# Allegro board LAY-31407_C2.brd (continued)
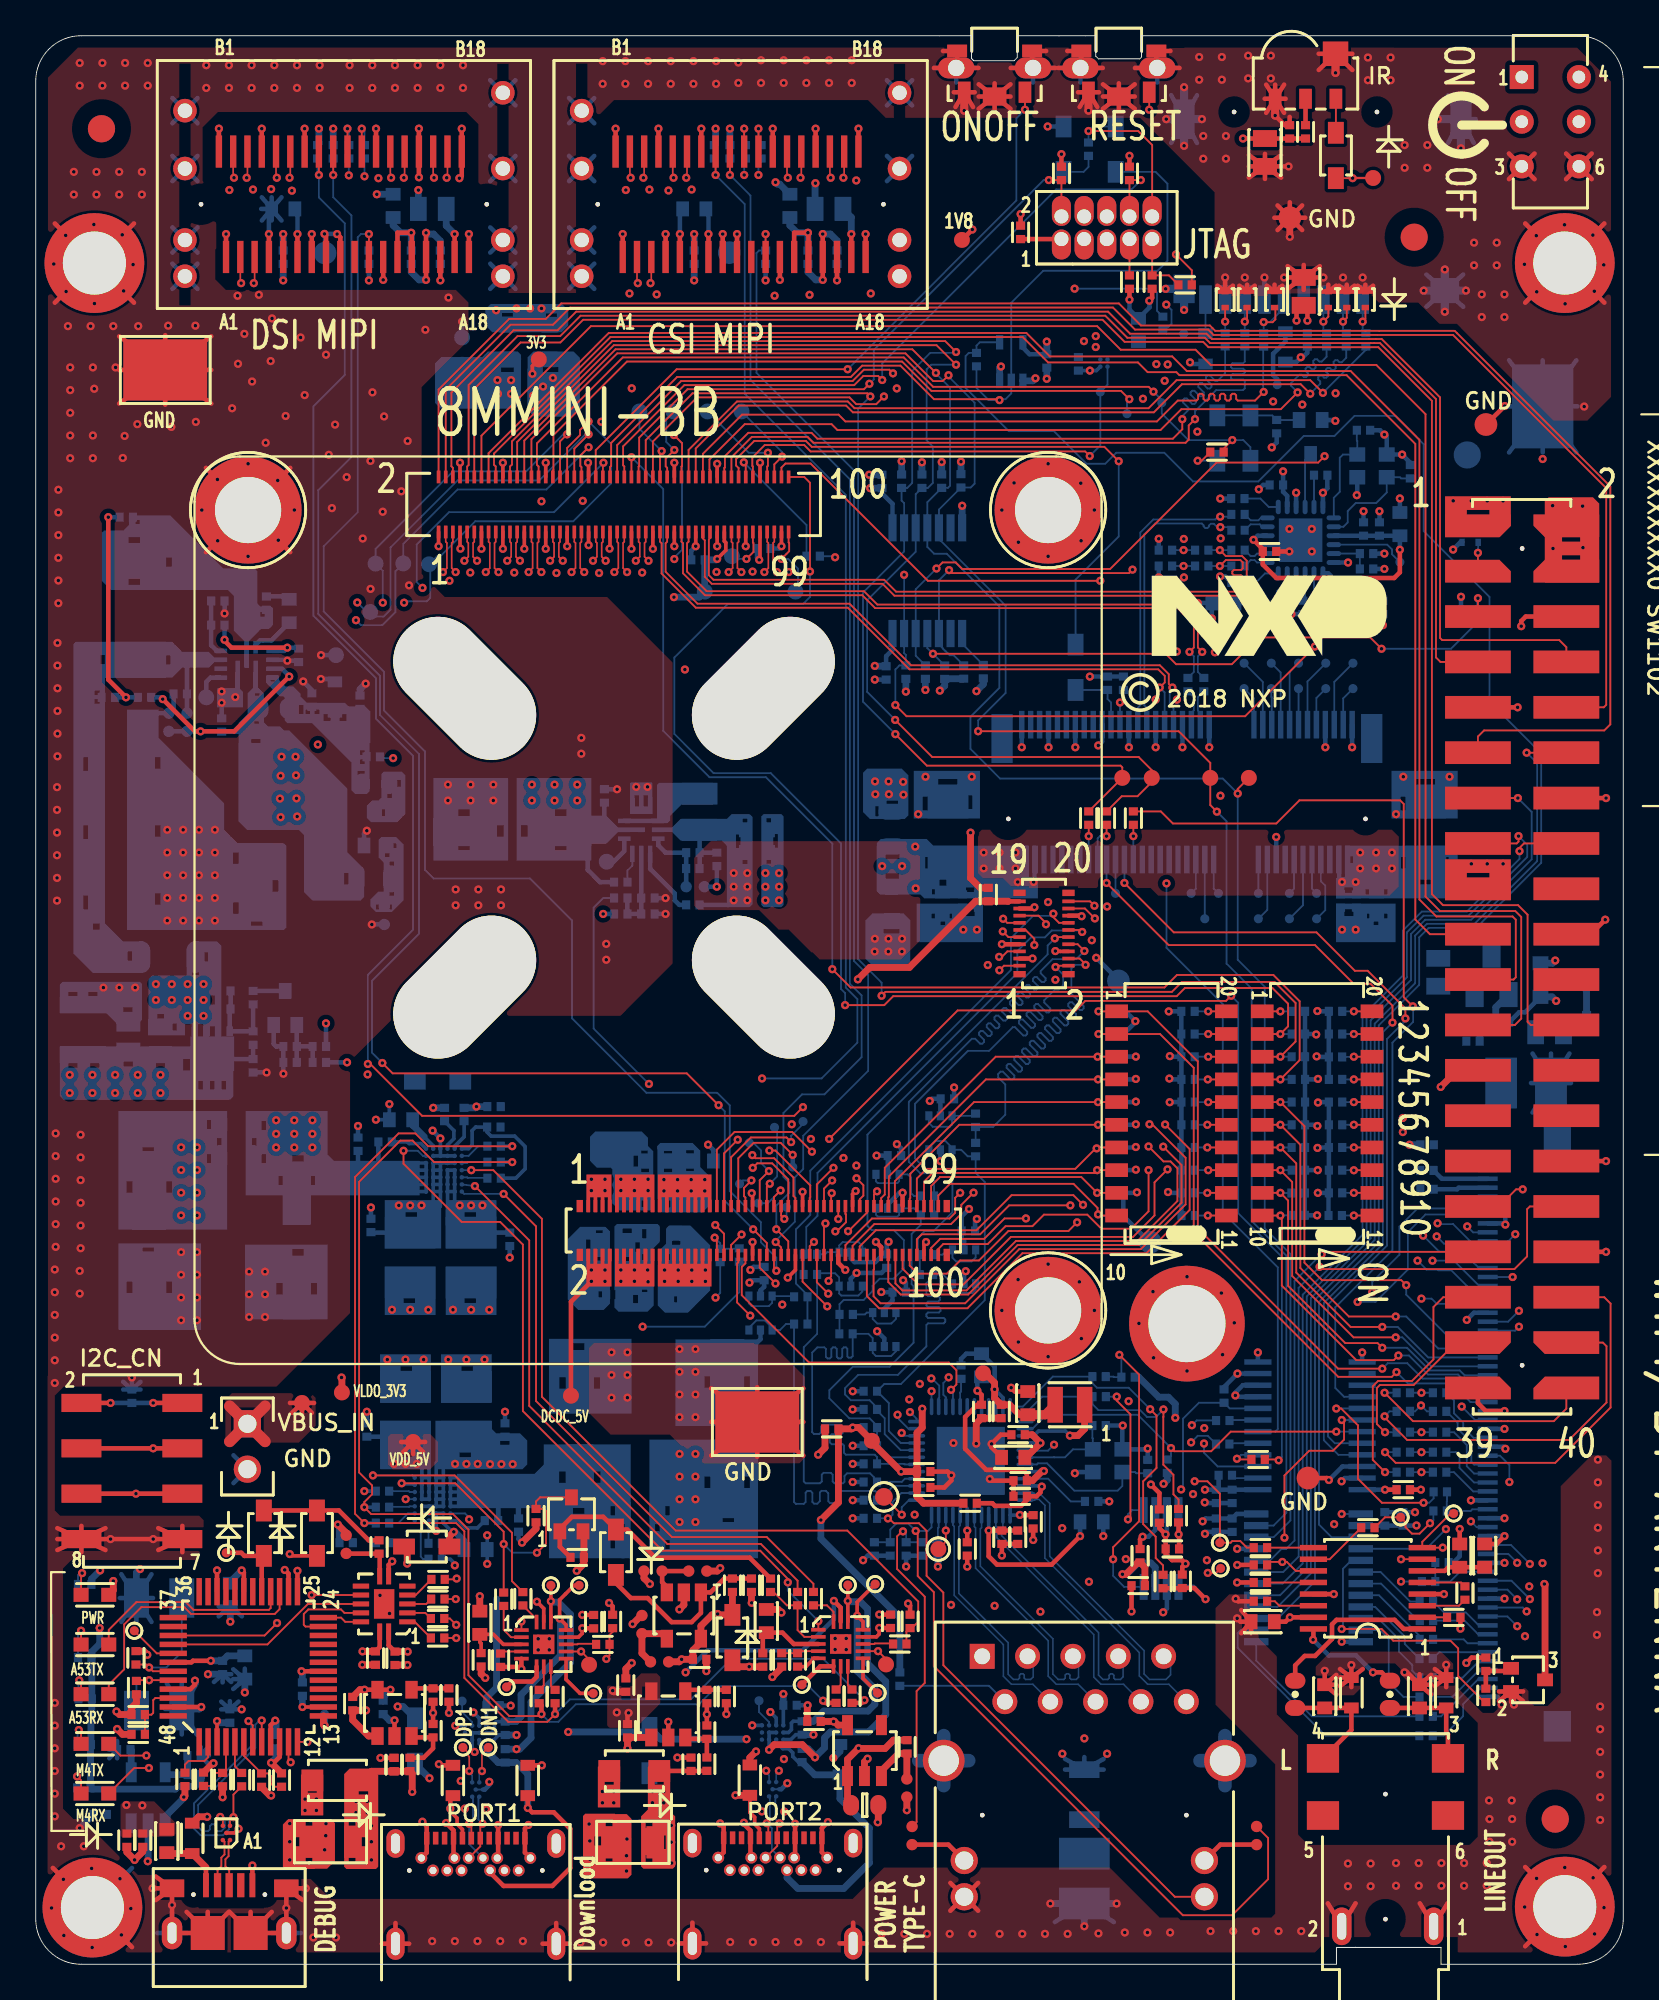
[diagram p0: board, top side]
## Nets (continued)
ENET_RD0_BUFIN: R516.1 R517.1 R531.2 U501.31 U502.1 U502.3
ENET_RD1: J203.10 R532.1 R540.1
ENET_RD1_BUFIN: R518.1 R532.2 U501.30 U504.1 U504.3
ENET_RD2: J203.12 R533.1 R541.1
ENET_RD2_BUFIN: R522.1 R533.2 U501.28 U503.1 U503.3
ENET_RD3: J203.14 R534.1 R543.1
ENET_RD3_BUFIN: R524.1 R534.2 U501.27 U505.1 U505.3
ENET_RX_CTL: J203.2 R535.1 R544.1
ENET_RX_CTL_BUFIN: R521.1 R535.2 U501.32 U507.1 U507.3
ENET_RXC: J203.4 R530.1 R542.1
ENET_RXC_BUFIN: R523.1 R530.2 U501.33 U506.1 U506.3
ENET_SD: R509.2 U501.41
ENET_TD0: J203.9 U501.36
ENET_TD1: J203.11 U501.37
ENET_TD2: J203.13 U501.38
ENET_TD3: J203.15 U501.39
ENET_TX_CTL: J203.1 U501.34
ENET_TXC: J203.5 U501.35
ENET_VDDH_2V5: C502.1 R501.2 R519.2 U501.10
ENET_VDDIO: C504.1 C505.1 R501.1 R502.1 R503.1 R508.1 R516.2 TP503.1(TP) U501.29
ENET_WOL: J202.46 U501.40
ENET_XTLI: C519.1 U501.7 Y501.3
ENET_XTLO: C518.1 U501.6(XTLO) Y501.1
ETH_TRX0_N: J501.10 U501.12
ETH_TRX0_P: J501.9 U501.11
ETH_TRX1_N: J501.8 U501.15
ETH_TRX1_P: J501.7 U501.14
ETH_TRX2_N: J501.6 U501.18
ETH_TRX2_P: J501.5 U501.17
ETH_TRX3_N: J501.4 U501.21
ETH_TRX3_P: J501.3 U501.20
EX_POR_B: R210.2 U201.3 U204.4(Y)
EXP_IO0: R1019.2 U201.6
EXP_IO1: R1020.2 U201.7
EXP_IO2: R1021.2 U201.8
EXP_IO3: R1022.2 U201.9
EXP_IO4: R1023.2 U201.10
EXP_IO5: R1024.2 U201.11
EXP_IO6: R1025.2 U201.13
EXP_IO7: R1026.2 U201.14
EXP_IO8: J1003.12 U201.15
EXP_IO9: J1003.13 U201.16
EXP_IO10: J1003.15 U201.17
EXP_IO11: J1003.16 U201.18
EXP_IO12: J1003.32 U201.19
EXP_IO13: J1003.33 U201.20
EXP_IO14: J1003.31 U201.4
EXT_PWREN: R114.1 R1032.1 U201.5
FRS_EN1: U302.B6 U303.1
FRS_EN2: U305.B6 U306.1
FT_NPWREN: TP915.1(PIN1) U901.41
FT_NRXLED1: D902.C(CATHODE) U901.12
FT_NRXLED2: D906.C(CATHODE) U901.28
FT_NSLEEP1: D909.A TP913.1(PIN1) U901.13
FT_NSLEEP2: D910.A TP914.1(PIN1) U901.29
FT_NTXLED1: D903.C(CATHODE) U901.11
FT_NTXLED2: D905.C(CATHODE) U901.27
FT_USB_DM: U901.8 U902.C2
FT_USB_DP: R925.1 U901.7 U902.C1
FT_VCCOUT_3V3: C920.2 R927.1 U901.6
FTDI_NPOR: C909.1 R924.2 U901.4
FTDI_NRSTOUT: R925.2 U901.5
FTDIA_RX: U901.23 U904.12
FTDIA_TX: U901.24 U904.13
FTDIB_RX: U901.39 U904.10
FTDIB_TX: U901.40 U904.11
GPIO1_IO15: J202.38 R217.1 R219.2
I2C2_SCL: J201.22 R201.2 R631.2 R810.2 TP210.1(TP) U203.2
I2C2_SCL_3V3: R202.2 R302.1 R305.1 R309.1 R311.1 R612.1 U203.13
I2C2_SDA: J201.24 R205.2 R630.2 R808.2 TP211.1(TP) U203.3
I2C2_SDA_3V3: R206.2 R303.1 R308.1 R310.1 R312.1 R613.1 U203.12
I2C3_SCL: J201.26 R203.2 R809.2 TP212.1(TP) U201.22 U203.4
I2C3_SCL_3V3: D1001.C J1001.50 J1003.5 J1004.3 J1004.4 R204.2 U203.11
I2C3_SDA: J201.28 R207.2 R807.2 TP213.1(TP) U201.23 U203.5
I2C3_SDA_3V3: D1002.C J1001.51 J1003.3 J1004.5 J1004.6 R208.2 U203.10
ILIM_5V_VBUS1: TP312.1(PIN1) U303.6
ILIM_5V_VBUS2: TP314.1(PIN1) U306.6
IOEXP_NINT: J202.44 U201.1
IR_CAP: D709.A J202.42 TP702.1(TP)
JTAG_NTRST: J201.60 R923.2 R1108.1 SW1101.3
JTAG_TCK: J201.62 J902.4
JTAG_TDI: J201.54 J902.8 R918.2
JTAG_TDO: J201.52 J902.6
JTAG_TMS: J201.58 J902.2 R917.2
LD1_I2C_SCL: R305.2 U302.B1
LD1_I2C_SDA: R308.2 U302.C1
LD1_NINT: R340.2 R345.2 U302.D1
LD2_I2C_SCL: R311.2 U305.B1
LD2_I2C_SDA: R312.2 U305.C1
LD2_NINT: R341.2 R344.2 U305.D1
LED_ACT: C514.1 R510.1 R519.1 R520.1 U501.23
LED_LINK10_100: C516.1 J501.14 U501.26
LED_LINK1000: C515.1 R513.1 R525.1 U501.24
LINE_OUTL: C407.1 J401.4 R404.2 TVS402.2(A2)
LINE_OUTR: C406.2 J401.3 R403.2 TVS401.2(A2)
LINEVDD: C402.1 L401.1 U401.6
LINK / ACTIVE: J501.13 R513.2
LINKACT: J501.11 R510.2
M2_I2C_SCL: J601.60 R631.1
M2_I2C_SDA: J601.58 R630.1
M2_PCM_CLK: J601.8 TP604.1(PIN1)
M2_PCM_IN: J601.12 TP608.1(PIN1)
M2_PCM_OUT: J601.14 TP610.1(PIN1)
M2_PCM_SYNC: J601.10 TP606.1(PIN1)
M2_SD_CLK: J601.9 TP605.1(PIN1)
M2_SD_CMD: J601.11 TP607.1(PIN1)
M2_SD_DAT0: J601.13 TP609.1(PIN1)
M2_SD_DAT1: J601.15 TP611.1(PIN1)
M2_SD_DAT2: J601.17 TP612.1(PIN1)
M2_SD_DAT3: J601.19 TP613.1(PIN1)
M2_SD_NRST: J601.23 TP617.1(PIN1)
M2_SD_WAKE: J601.21 TP615.1(PIN1)
M2_UART_CTS: J601.36 TP620.1(PIN1)
M2_UART_RTS: J601.34 TP619.1(PIN1)
M2_UART_RXD: J601.22 TP616.1(PIN1)
M2_UART_TXD: J601.32 TP618.1(PIN1)
M2_USB_DN: J601.5 TP603.1(PIN1)
M2_USB_DP: J601.3 TP601.1(PIN1)
MDC: R511.2 R537.2 U501.1
MDIO: R512.2 R538.2 U501.48
NRST: D908.C J902.10(B5) R919.2
NVCC_ENET: C523.1 J203.19 R502.2 R526.2 R536.2 U508.3
ONOFF: J201.46 SW901.2
PCIE_CLKN: J201.75 R611.2 R615.1
PCIE_CLKP: J201.77 R610.2 R614.1
PCIE_NCLKREQ: D603.C J201.30 R632.2 TP221.1(PIN1)
PCIE_NCLKREQ_DEV: D602.C J601.53 R626.2 R632.1
PCIE_NDIS: J601.56 U202.21
PCIE_NDIS_LV: J202.62 U202.3
PCIE_NRST: J601.52 U202.20
PCIE_NRST_LV: J202.68 R211.1
PCIE_NWAKE: D601.A J201.86
PCIE_REQ: Q604.3 U601.22
PCIE_RXN: J201.63 J601.43
PCIE_RXP: J201.65 J601.41
PCIE_TXN: C616.1 J201.69
PCIE_TXP: C615.1 J201.71
PD1_I2C_SCL: R302.2 U303.8
PD1_I2C_SDA: R303.2 U303.7
PD2_I2C_SCL: R309.2 U306.8
PD2_I2C_SDA: R310.2 U306.7
PD_EN_SRC1: R332.1 U303.16
PD_EN_SRC2: R334.1 U306.16
PHY_CLKOUT: TP502.1(PIN1) U501.25
PMIC_ON_REQ: J201.48 R131.1
POR_B: D908.A J201.50 R210.1 U204.2
PPS/GPIO: TP501.1(PIN1) U501.22
REF_CLK_32K: J202.37 R215.1 U202.8
REF_CLK_32K_3V3: R629.2 U202.16
REF_CLKN_CN: J601.49 R615.2 R617.2 R622.1
REF_CLKP_CN: J601.47 R614.2 R616.2 R621.1
SAI1_MCLK: J202.98 J1001.4
SAI1_RXC: J202.76 J1001.18
SAI1_RXD0: J202.78 J1001.20 R1112.1 SW1101.5
SAI1_RXD1: J202.80 J1001.21 R1114.1 SW1101.6
SAI1_RXD2: J202.82 J1001.22 R1116.1 SW1101.7
SAI1_RXD3: J202.86 J1001.23 R1118.1 SW1101.8
SAI1_RXD4: J202.88 J1001.24 R1102.1 SW1101.9
SAI1_RXD5: J202.90 J1001.25 R1136.1 SW1101.10
SAI1_RXD6: J202.92 J1001.26 R1120.1 SW1102.1
SAI1_RXD7: J202.94 J1001.27 R1122.1 SW1102.2
SAI1_RXFS: J202.74 J1001.19
SAI1_TXC: J202.81 J1001.6
SAI1_TXD0: J202.83 J1001.9 R1124.1 SW1102.3
SAI1_TXD1: J202.85 J1001.10 R1126.1 SW1102.4
SAI1_TXD2: J202.87 J1001.11 R1128.1 SW1102.5
SAI1_TXD3: J202.91 J1001.12 R1130.1 SW1102.6
SAI1_TXD4: J202.93 J1001.13 R1132.1 SW1102.7
SAI1_TXD5: J202.95 J1001.14 R1134.1 SW1102.8
SAI1_TXD6: J202.97 J1001.15 R1139.1 SW1102.9
SAI1_TXD7: J202.99 J1001.16 R1140.1 SW1102.10
SAI1_TXFS: J202.100 J1001.8
SAI2_3_MCLK: J1001.39 R1005.1 R1006.1
SAI2_MCLK: J202.66 R213.1
SAI2_MCLK_3V3: R1006.2 U202.17
SAI3_MCLK: J202.41 R401.1 R1005.2 TP40.1(PIN1) TP214.1(PIN1)
SAI3_RXC: J202.53 J1001.41 TP219.1(PIN1)
SAI3_RXD: J202.55 J1001.44 TP220.1(PIN1)
SAI3_RXFS: J202.51 J1001.43 TP218.1(PIN1)
SAI3_TXC: J202.45 R402.1 TP41.1(PIN1) TP216.1(PIN1)
SAI3_TXD: J202.49 TP43.1(PIN1) TP217.1(PIN1) U401.7
SAI3_TXFS: J202.43 TP42.1(PIN1) TP215.1(PIN1) U401.8
SAI5_MCLK: J202.77 J1001.29
SAI5_RXC: J202.65 R1009.2 R1016.2
SAI5_RXD0: J202.67 R1010.2 R1015.2
SAI5_RXD1: J202.69 R1011.2 R1018.1
SAI5_RXD2: J202.71 R1012.2 R1014.2
SAI5_RXD3: J202.73 R1013.2 R1017.1
SAI5_RXFS: J202.70 J1001.33
SD2_CLK: J201.76 R704.1
SD2_CMD: J201.78 R702.1
SD2_DATA0: J201.84 R705.1
SD2_DATA1: J201.82 R707.1
SD2_DATA2: J201.72 R708.1
SD2_DATA3: J201.74 R709.1
SD2_DET: J701.9 R217.2 R218.1 TP701.1(PIN1) TVS701.2(A2)
SD2_NCD: J201.88 R216.2 R218.2
SD2_NRST: J201.90 TP703.1(PIN1) U702.B1
SPDIF_EXT_CLK: J202.63 R1003.2
SPDIF_RX: J202.59 J1001.48
SPDIF_TX: J202.57 J1001.47
SUSCLK_32K: J601.50 R629.1
SYS_NRST: J202.39 SW902.2
TCPC_NINT1: J201.70 TP305.1(TP) U303.10
TCPC_NINT2: R216.1 R219.1 TP308.1(TP) U306.10
TEST_MODE: J201.56 R1110.1 SW1101.4
UART2_RXD: J201.36 R910.2 TP906.1(TP)
UART2_TXD: J201.38 R911.2 TP905.1(TP)
UART3_CTS: J201.10 J1003.7
UART3_RTS: J201.2 J1003.11
UART3_RXD: J201.4 J1003.10
UART3_TXD: J201.6 J1003.8
UART4_RXD: J201.40 R908.2 TP903.1(TP)
UART4_TXD: J201.42 R909.2 TP902.1(TP)
USB1_CC1: R336.2 TP303.1(PIN1) U303.13 U308.A2
USB1_CC1_CN: J301.A5 R336.1 TVS304.2(A2) U308.A1
USB1_CC2: R337.2 TP304.1(PIN1) U303.14 U308.B2 U308.C1 U308.C2
USB1_CC2_CN: J301.B5 R337.1 TVS303.2(A2) U308.B1
USB1_DN: J201.83 TP908.1(PIN1) U307.C2
USB1_DN_CN: J301.A7 J301.B7 U307.A2
USB1_DP: J201.85 TP907.1(PIN1) U307.C1
USB1_DP_CN: J301.A6 J301.B6 U307.A1
USB1_ID: J201.89 TP301.1(TP)
USB1_OTG_VBUS: C303.1 D301.C F301.1 J301.A4 J301.A9 J301.B4(VBUS4) J301.B9 R301.1 R306.1
USB1_OTG_VBUS_F: C301.1 C302.1 D309.A F301.2 U302.C2 U302.C3 U302.C4 U302.C5 U302.D4 U302.D5 U302.E4 U302.E5 U302.F4 U302.F5 U302.G4 U302.G5 U303.15
USB1_VBUS: C215.1 J201.81 R307.2 TP909.1(TP) U301.1
USB1_VBUS_IN: C308.1 C309.1 C315.2 R315.1 R316.1 U302.C6 U302.D6 U302.E6 U302.F6 U302.G6
USB2_CC1: R338.2 TP306.1(PIN1) U306.13 U310.A2
USB2_CC1_CN: J302.A5 R338.1 TVS308.2(A2) U310.A1
USB2_CC2: R339.2 TP307.1(PIN1) U306.14 U310.B2 U310.C1 U310.C2
USB2_CC2_CN: J302.B5 R339.1 TVS307.2(A2) U310.B1
USB2_DN: J201.93 U309.C2
USB2_DN_CN: J302.A7 J302.B7 U309.A2
USB2_DP: J201.95 U309.C1
USB2_DP_CN: J302.A6 J302.B6 U309.A1
USB2_ID: J201.99 TP302.1(TP)
USB2_OTG_VBUS: C323.1 D303.C F302.1 J302.A4 J302.A9 J302.B4(VBUS4) J302.B9 R319.1 R356.1
USB2_OTG_VBUS_F: C321.1 C322.1 D308.A F302.2 U305.C2 U305.C3 U305.C4 U305.C5 U305.D4 U305.D5 U305.E4 U305.E5 U305.F4 U305.F5 U305.G4 U305.G5 U306.15
USB2_VBUS: C216.1 J201.91 R320.2 U304.1
USB2_VBUS_IN: C325.1 C326.1 C330.2 R323.1 R325.1 U305.C6 U305.D6 U305.E6 U305.F6 U305.G6
USB_DBG_DM: J901.2 U902.A2
USB_DBG_DP: J901.3 U902.A1
USB_LD_NFLT1: R340.1 U303.11
USB_LD_NFLT2: R341.1 U306.11
VEXT_3V3: C803.1 C806.1 C811.1 C814.1 J801.A13 J801.A14 J802.A13 J802.A14 J1003.1 J1003.17 R811.2 R812.2
VLDO1_3V3: C317.1 D312.A U302.A5(VLDO)
VLDO2_3V3: C334.1 D313.A U305.A5(VLDO)
VLDO_3V3: C314.1 C331.1 C337.1 C338.1 C340.1 C344.1 D310.C D312.C D313.C R343.1 R353.1 R354.1 R358.1 TP315.1(TP) U308.A3(VSYS) U310.A3(VSYS) U311.5 U312.5(OUT)
VPCIE_3V3: C617.1 C618.1 C620.1 C621.1 C622.1 C623.1 C624.1 C625.1 J601.2 J601.4 J601.72 J601.74 R601.2 R602.2 R626.1 R627.1
VSD_3V3: C702.1 C703.1 C704.1 J701.4 TP704.1(PIN1) TVS702.2(A2) U702.A2(VOUT)
N98831920: D706.C J701.5 R704.2
N99468751: R714.2 U701.2
N99799646: R515.1 U501.9
N101118681: D704.C J701.8 R707.2
N101118689: D705.C J701.7 R705.2
N101118780: D707.C J701.3 R702.2
N101118786: D702.C J701.2 R709.2
N101118794: D703.C J701.1 R708.2
N101800237: J1001.2 R1028.1
N101995244: C608.1 C609.1 C611.1 L602.2 U601.11 U601.20
N101995252: C614.1 U601.2(X2) Y601.3
N101995256: C613.1 U601.1 Y601.1
N101995353: C605.1 C606.1 C607.1 L601.1 U601.3 U601.16
N101995404: R610.1 U601.13
N101995406: TP602.1(PIN1) U601.4
N101995408: R611.1 U601.14
N101995436: R616.1 U601.17
N101995453: R617.1 U601.18
N101995570: C603.1 C604.1 R603.2 R604.2 U601.7
N101995643: R619.2 U601.19
N101995645: R618.2 U601.12
N101995688: R620.2 U601.23
N102026698: D602.A D603.A Q604.1 R623.2
N102880674: C401.1 U401.2
N102887128: C404.2 U401.14(VMID)
N102887637: R403.1 U401.16
N102887640: R404.1 U401.1
N102889416: C405.1 U401.5
N102889418: C405.2 U401.3
N102889692: R406.1 U401.12
N102889696: R401.2 U401.10
N102889754: R402.2 U401.9
N103555946: J801.A8 J801.A9 TP801.1(PIN1)
N103620608: C106.1 C107.1 C108.1 C109.1 C160.2 L101.2 R103.1 R105.1 U101.5(VOUT)
N103620610: C113.1 C161.1 D101.C(CATHODE) R101.2 R138.1 R140.2 U101.12
N103620792: C102.2 L101.1 R135.1 U101.7
N103620806: R102.1 U101.8
N103620818: C102.1 R102.2
N103621273: R105.2 R109.1 R136.2 U101.11
N103621294: R107.2 R108.1 U101.6
N103794378: J802.A8 J802.A9 TP802.1(PIN1)
N104238302: D708.A R713.2
N104270741: J1001.3 R1027.1
N104271082: J1001.31 R1009.1
N104271093: J1001.35 R1011.1
N104271096: J1001.36 R1012.1
N104271099: J1001.37 R1013.1
N104271107: J1001.34 R1010.1
N104271750: J1001.46 R1003.1 R1004.1
N104271890: J1001.59 R1026.1
N104271893: J1001.58 R1025.1
N104271896: J1001.56 R1023.1
N104271904: J1001.57 R1024.1
N104271907: J1001.53 R1020.1
N104271909: J1001.54 R1021.1
N104271911: J1001.55 R1022.1
N104271923: J1001.52 R1019.1
N104279466: R612.2 U601.8
N104279469: R613.2 U601.9
N104764716: R624.2 R625.2 U601.5
N105095140: C615.2 J601.35
N105095143: C616.2 J601.37
N105095456: D601.C J601.55 R627.2
N105218199: J501.2 R503.2
N105570556: J601.54(W\_\D\I\S\A\B\L\E\2\) TP621.1(PIN1)
N106685017: J902.7 R921.1
N106685043: D907.C R919.1
N106685087: J902.9 R922.1 R923.1
N106693815: J1003.36 R1014.1
N106693817: J1003.38 R1015.1
N106693819: J1003.40 R1016.1
N106751784: R306.2 R313.1 U301.3
N106751786: R304.2 R314.1 U301.4
N106752514: C319.1 R349.2 U303.3(VDD)
N106760013: C315.1 U302.A6
N106760029: C316.1 U302.A3
N106825077: R319.2 R321.1 U304.3
N106825079: R318.2 R322.1 U304.4
N106825388: R331.1 R354.2 U305.A1
N106825551: C335.1 R350.2 U306.3(VDD)
N106826014: C330.1 U305.A6
N106826016: C333.1 U305.A3
N106851464: R327.1 U306.5
N106918263: D709.C U701.1(VOUT)
N106947509: C138.2 C159.2 Q101.4 R125.2 R129.1
N106947511: Q102.3 R129.2
N106947532: C145.1 Q102.1 R131.2 R133.1 R134.2
N107058704: R328.2 U302.A2
N107059533: R329.2 U302.E1
N107060388: R330.2 U305.A2
N107060780: R331.2 U305.E1
N107162903: J1003.35 R1017.2
N107162937: J1003.37 R1018.2
N107283671: R1105.1 SW1101.19
N107283673: R1103.1 SW1101.20
N107295158: TP105.1(TP) U101.3
N107626870: C117.1 R113.2 R114.2 R115.1 U102.5
N107626960: C118.2 R110.2 R111.1 U102.3
N107627021: R112.2 U102.6
N107627023: L102.1 U102.1 U102.9
N107627135: TP103.1(TP) U102.7
N107627186: C122.1 U102.4
N107637154: R214.2 U203.8
N107721671: R209.2 U202.2
N107724179: R212.2 U202.5
N107724192: R211.2 U202.4
N107724212: R213.2 U202.7
N107750980: D311.A Q301.1 R346.1 R360.2
N107870832: C160.1 R135.2 R136.1
N107896174: Q903.3 R138.2
N107897671: Q903.1 R137.2 R139.1
N107966089: R527.2 R537.1 U508.8
N107966091: R528.2 R538.1 U508.1
N107966128: R526.1 U508.6
N107968412: R542.2 U506.4(Y2) U506.6
N107968479: R544.2 U507.4(Y2) U507.6
N107968670: R540.2 U504.4(Y2) U504.6
N107968707: R539.2 U502.4(Y2) U502.6
N107968717: R541.2 U503.4(Y2) U503.6
N107968739: R543.2 U505.4(Y2) U505.6
N108059802: R140.1 SW101.2 SW101.5
N108161310: C339.1 D308.C D309.C R355.1 U312.1
N108166855: R353.2 U302.A1
N108194991: R356.2 R357.1 U311.3
N108194993: R358.2 R359.1 U311.4
N108201139: C907.1 U901.43 X901.1
N108201143: C908.1 U901.44(XTOUT) X901.3
N108201307: C902.1 R904.2 U901.46
N108223122: C918.1 R928.1 U903.5(VOUT)
N108223184: C917.1 U903.4
N108237950: R926.2 U901.2
N108242066: D902.A R902.1
N108242068: D903.A R903.1
N108243403: D906.A R916.1
N108243405: D905.A R915.1
N108291814: TP309.1(PIN1) U308.C3
N108294504: TP310.1(PIN1) U310.C3
N108331169: R355.2 R361.2 U312.3
N108338377: Q1003.1 R1032.2 R1033.1
N108338539: C1004.2 Q1001.1 R1029.2 R1031.1
N108338811: Q1001.3 R1001.1 R1030.1 R1034.2
N108342788: Q1002.1 Q1003.3 R1031.2
N108343972: Q1002.3 R1030.2
N108372965: D909.C D910.C R929.1
N108372967: R929.2 R930.2 U904.8
N108373115: R911.1 U904.5
N108373117: R910.1 U904.4
N108373119: R909.1 U904.3
N108373121: R908.1 U904.2
N108512265: R1107.1 SW1101.17
N108512267: R1109.1 SW1101.16
N108512269: R1111.1 SW1101.15
N108512271: R1113.1 SW1101.14
N108512273: R1115.1 SW1101.13
N108512275: R1117.1 SW1101.12(B9)
N108512376: R1101.1 SW1101.18
N108512604: R1135.1 SW1101.11
N108512923: R1119.1 SW1102.20
N108512925: R1121.1 SW1102.19
N108512927: R1123.1 SW1102.18
N108512929: R1125.1 SW1102.17
N108512931: R1127.1 SW1102.16
N108512933: R1129.1 SW1102.15
N108512935: R1131.1 SW1102.14
N108512937: R1133.1 SW1102.13
N108513363: R1137.1 SW1102.12(B9)
N108513365: R1138.1 SW1102.11

Pads without a net: J301 A2 A3 A8 A10 A11 B2 B3 B8 B10 B11; J302 A2 A3 A8 A10 A11 B2 B3 B8 B10 B11; J401 5 6; J601 6 16 38 40 42 44 46 48 59 61 62 64 65 66 67 68 70 71 73; J801 A10; J802 A10; J901 4; J1003 18 22 26 27 28 29; SW101 1 4; U101 4; U202 14 15; U203 6 9; U308 D1 D2; U310 D1 D2; U312 4; U501 42 43 45 46; U901 1 15 16 17 19 20 21 22 30 32 33 35 36 37 38 48; U904 6 9

## Via types
v1: diameter 0.457, hole 0.203, TOP to BOTTOM, 1669 vias

## Routing (per net, layer and track width the routed paths; a pad name or vN(x,y) marks a point on that pad's centre or on a via; arc(x,y) is an arc through that point)
GND: length 2024.6
  TOP w0.203: J201.13 v1(24.96,79.23) ; J201.8 v1(23.76,84.05) ; J201.7 23.76,79.37 23.78,79.35 v1(23.78,79.24) ; J202.96 49.74,40.31 v1(49.86,40.43) ; J201.73 v1(36.96,79.38) ; J201.43 v1(30.96,79.44) ; J202.61 v1(42.94,43.24) ; J202.48 v1(40.14,40.43) ; J201.32 v1(28.56,84.05) ; J201.49 32.16,79.27 v1(32.13,79.24) ; J202.75 45.74,43.11 v1(45.92,43.28) ; v1(40.1,43.16) 40.14,43.12 J202.47 ; J201.20 v1(26.16,84.05) ; v1(57.1,56.71) 57.37,56.7 J203.6 ; J201.44 30.96,84.02 v1(30.93,84.05) ; J201.31 v1(28.56,79.23) ; J201.19 v1(26.16,79.23) ; J201.37 v1(29.76,79.38) ; J201.80 v1(38.16,83.99) ; J201.61 v1(34.56,79.23) ; U902.B1 11.13,7.35 v1(11.36,7.58) ; J201.79 v1(38.16,79.38) ; J201.1 v1(22.56,79.38) ; J201.67 v1(35.76,79.38) ; J201.87 v1(39.76,79.38) ; J201.68 v1(35.76,84.05) ; J201.25 v1(27.36,79.23) ; v1(42.11,38.44) 42.54,38.86 J202.60 ; J201.55 v1(33.36,79.23) ; J201.92 v1(40.56,84.05) ; J201.97 v1(41.76,79.38)
  TOP w0.254: 52.81,104.55 SW901.3 ; SW901.3 54.59,103.86 ; SW901.3 52.81,103.86 ; SW901.3 54.59,104.55 ; SW901.3 53.7,105.28 ; SW901.3 52.81,105.23 ; SW901.3 54.59,105.23 ; SW901.3 53.7,103.81 ; J501.12 52.77,3 ; J501.12 51.22,4.55 ; J501.12 52.77,4.55 ; J501.12 51.22,3 ; J901.S4 12.03,2.93 ; J901.S4 13.21,2.93 ; J901.S4 J901.S2 v1(14.03,3.15) J901.S6 ; J901.S4 10.85,2.93 ; 73.04,16.05 TVS402.1 ; TVS402.1 73.04,16.52 ; TVS402.1 73.04,15.57 ; TVS402.1 v1(73.67,16.75) ; TVS402.1 73.67,15.51 ; TVS402.1 74.31,16.52 ; 68.9,105.21 U701.3 ; U701.3 69.41,105.21 ; U701.3 69.91,103.63 ; U701.3 69.91,105.21 ; U701.3 69.99,104.42 ; U701.3 68.82,104.42 ; U701.3 68.9,103.63 ; 83.41,97.44 BH1202.1 ; BH1202.1 87.84,97.44 ; BH1202.1 87.84,93.01 ; BH1202.1 83.41,93.01 ; Q1003.2 82.78,15.11 v1(82.78,14.53) ; Q1003.2 83.29,15.27 ; Q1003.2 82.62,14.69 ; Q1003.2 81.94,15.27 ; Q1003.2 83.29,14.73 ; Q1003.2 81.94,14.73 ; 76.84,16.2 C406.1 ; C406.1 78.14,16.2 ; C406.1 78.14,15.1 ; C406.1 77.49,16.23 ; C406.1 76.8,16.34 v1(76.65,16.34) ; C406.1 78.14,15.65 ; SW901.7 51.6,106.2 SW901.5 50.81,107.1 ; SW901.7 52.79,106.15 ; SW901.7 50.3,106.15 ; R405.2 v1(67.28,22.35) ; 36.01,1.17 J302.SH3 ; J302.SH3 37.54,1.17 ; J302.SH3 36.77,2.33 ; J801.A12 v1(19.46,94.28) ; 68.94,93.96 D706.A ; D706.A 69.8,93.96 ; D706.A 69.8,93.63 ; D706.A 68.94,93.63 ; D706.A 69.37,94.01 ; J302.SH4 45.77,2.33 ; J302.SH4 45.01,1.17 ; J302.SH4 46.54,1.17 ; 79.06,3.41 J401.1 77.51,3.41 ; C407.2 72.83,15.1 ; C407.2 v1(72.18,16.43) ; C407.2 72.83,16.2 ; C407.2 72.83,15.65 ; v1(44.07,96.85) J802.A15 v1(44.07,94.28) ; 59.76,105.23 SW902.3 ; SW902.3 59.76,103.86 ; SW902.3 61.54,104.55 ; SW902.3 61.54,103.86 ; SW902.3 59.76,104.55 ; SW902.3 61.54,105.23 ; SW902.3 60.65,103.81 ; SW902.3 60.65,105.28 ; C507.2 54.04,29.64 v1(53.53,29.13) 53.53,28.93 C506.2 ; C523.2 v1(61.36,19.75) ; U901.45 8.66,15.4 8.92,15.66 v1(8.92,15.88) ; D702.A 73.42,94.01 ; D702.A 72.98,93.96 ; D702.A 73.85,93.96 ; D702.A 73.85,93.63 ; D702.A 72.98,93.63 ; TP1202.1 40.4,32.3 ; TP1202.1 37.83,32.24 ; TP1202.1 37.83,30.36 ; TP1202.1 42.98,30.36 ; TP1202.1 42.98,28.47 ; TP1202.1 42.98,32.24 ; TP1202.1 37.83,28.47 ; TP1202.1 40.4,28.41 ; U901.34 v1(10.15,22.05) ; TVS304.1 22.64,11.14 v1(22.58,11.2) ; U901.18 v1(14.88,16.4) ; J1003.14 v1(87.93,65.28) ; v1(21.65,7.98) 21.9,7.74 J301.A1 21.9,6.25 J301.B12 ; v1(21.86,94.28) J801.A15 v1(21.86,96.92) ; 57.76,107.1 SW902.5 58.55,106.2 SW902.7 ; SW101.3 83.93,99.92 ; SW101.3 82.5,101.35 ; SW101.3 82.5,99.92 ; SW101.3 83.93,101.35 ; J901.S3 9.63,2.93 ; J901.S3 10.81,2.93 ; J901.S3 J901.S1 v1(7.63,3.32) J901.S5 ; J901.S3 8.45,2.93 ; 83.41,1.01 BH1204.1 ; BH1204.1 87.84,5.44 ; BH1204.1 83.41,5.44 ; SW901.6 55.8,106.2 SW901.4 56.58,107.1 ; SW901.6 57.09,106.15 ; SW901.6 54.6,106.15 ; 8.21,23.06 J1004.7 ; J1004.7 6.86,23.19 ; J1004.7 6.86,24.41 ; J1004.7 v1(6.58,23.8) v1(4.19,23.8) J1004.8 ; J1004.7 8.21,24.54 ; U303.5 v1(27.2,16.53) 27.09,16.64 C318.1 ; 63.54,107.1 SW902.4 62.75,106.2 SW902.6 ; J901.5 v1(12.13,5.53) ; 0.96,5.39 BH1203.1 5.39,0.96 ; 78.35,15.57 TVS401.1 ; TVS401.1 78.35,16.05 ; TVS401.1 78.98,15.51 ; TVS401.1 v1(78.98,16.76) ; TVS401.1 78.35,16.52 ; C706.2 68.83,101.33 ; C706.2 67.93,100.01 ; C706.2 69.74,101.27 ; C706.2 v1(70.16,100.64) ; C706.2 69.74,100.01 ; C706.2 67.93,101.27 ; C706.2 68.83,99.94 ; C706.2 67.93,100.64 ; U701.4 73.73,106.03 ; U701.4 71.85,106.03 ; U701.4 73.73,106.94 ; U701.4 71.85,106.94 ; v1(82.25,30.97) 81.2,30.97 80.76,31.41 J1003.39 ; D703.A 74.89,93.63 ; D703.A 74.89,93.96 ; D703.A 74.03,93.63 ; D703.A 74.03,93.96 ; D703.A 74.46,94.01 ; C404.1 67.34,20.32 v1(67.2,20.46) ; D707.A 72.38,94.01 ; D707.A 72.82,93.63 ; D707.A 72.82,93.96 ; D707.A 71.95,93.63 ; C504.2 51.06,27.58 v1(51.27,27.37) 51.27,27.08 50.88,26.69 C505.2 ; U901.47 v1(9.27,14.4) ; D704.A 67.04,93.96 ; D704.A 67.04,93.63 ; D704.A v1(66.61,94.42) ; D704.A 66.17,93.63 ; D704.A 66.17,93.96 ; J1003.30 v1(87.93,44.96) ; R1033.2 80.41,17.17 v1(80.11,16.87) ; v1(13.41,13.64) 13.16,13.38 U901.9 ; J302.B1 44.02,6.27 J302.A12 44.02,7.62 v1(44.36,7.96) ; C508.2 54.84,32.06 v1(54.62,32.27) ; U401.4 v1(78.86,20.72) ; 6.72,4.91 J901.S5 ; J901.S5 v1(6.54,4.25) ; J901.S5 6.72,3.59 ; J203.17 55.85,59.1 v1(55.92,59.17) ; v1(62.45,26.85) 62.92,26.38 C524.2 ; J301.SH3 20.91,1.15 ; J301.SH3 19.38,1.15 ; J301.SH3 20.15,2.31 ; v1(21.46,102.75) J801.B15 v1(21.46,100.03) ; 70.22,103.4 C707.2 69.94,102.95 v1(69.41,103.48) ; C323.2 v1(35.93,11.57) ; SW901.1 52.58,104.79 ; SW901.1 51.5,103.96 ; SW901.1 51.41,104.79 ; SW901.1 52.49,103.96 ; TP1201.1 9.83,91.12 ; TP1201.1 4.67,87.36 ; TP1201.1 9.83,89.24 ; TP1201.1 7.25,87.3 ; TP1201.1 9.83,87.36 ; TP1201.1 4.67,91.12 ; TP1201.1 7.25,91.19 ; TP1201.1 4.67,89.24 ; J203.3 v1(55.82,56.3) ; J802.B7 v1(37.27,102.75) ; J1003.20 87.08,57.66 v1(87.89,58.47) ; J901.S6 v1(15.12,4.25) ; J901.S6 14.95,3.59 ; 1.21,23.19 J1004.8 ; J1004.8 1.21,23.8 ; J1004.8 2.56,23.06 ; J1004.8 3.91,24.41 ; J1004.8 1.21,24.41 ; J1004.8 2.56,24.54 ; J1004.8 3.91,23.19 ; v1(69.91,94.42) 71,94.42 C703.2 ; J301.SH4 29.15,2.31 ; J301.SH4 29.91,1.15 ; J301.SH4 28.38,1.15 ; D705.A 68.26,93.96 ; D705.A 68.26,93.63 ; D705.A 67.4,93.96 ; D705.A 67.83,94.01 ; D705.A 67.4,93.63 ; 71.01,93.72 C703.2 ; C703.2 70.1,93.79 ; C703.2 71.01,95.12 ; C703.2 71.91,95.05 ; C703.2 70.1,95.05 ; C703.2 71.01,94.42 v1(72.11,94.42) ; SW902.7 59.75,106.15 ; SW902.7 57.26,106.15 ; TP1208.1 70.91,97.07 ; TP1208.1 71.09,97.76 ; TP1208.1 70.91,98.45 ; TP1208.1 69.54,97.07 ; TP1208.1 69.54,98.45 ; TP1208.1 70.23,98.63 ; TP1208.1 69.36,97.76 ; J802.A18 v1(46.47,96.85) ; J801.A7 v1(15.46,96.85) ; R322.2 v1(37.58,13.99) R321.2 ; v1(45.33,38.87) 44.94,39.26 J202.72 ; U401.13 v1(72.69,20.72) ; C320.1 v1(30.61,19.56) ; J202.84 47.34,40.14 v1(47.05,40.44) ; 85.7,101.35 SW101.6 ; SW101.6 87.13,99.92 ; SW101.6 87.13,101.35 ; SW101.6 85.7,99.92 ; J1003.9 v1(82.98,70.36) ; J203.16 58.44,58.7 58.47,58.66 v1(58.57,58.66) ; C402.2 81.8,23.52 v1(82.25,23.97) ; R313.2 v1(22.25,14.07) R314.2 ; 58.37,104.79 SW902.1 ; SW902.1 59.54,104.79 ; SW902.1 59.44,103.96 ; SW902.1 58.46,103.96 ; C503.2 C501.2 v1(54.1,22.88) ; J802.A12 v1(41.67,94.28) ; 1.07,93.01 BH1201.1 ; BH1201.1 5.5,93.01 ; BH1201.1 5.5,97.44 ; BH1201.1 1.07,97.44 ; J301.B1 27.4,6.25 J301.A12 27.4,7.6 v1(27.59,7.8) ; 9.53,79.04 BH1209.1 ; BH1209.1 9.53,83.76 ; BH1209.1 14.25,79.04 ; BH1209.1 14.25,83.76 ; v1(67.28,19.37) 67.47,19.18 C403.2 ; U901.25 v1(14.66,22.02) ; J203.7 54.11,57.1 v1(54.1,57.1) ; TVS303.1 v1(28.34,11.14) ; U301.2 v1(20.09,13.65) ; J802.B12 v1(41.27,102.75) ; J302.B12 38.52,6.27 J302.A1 38.52,7.69 v1(38.32,7.88) ; J801.A4 v1(13.06,96.85) ; J802.B18 v1(46.07,102.75) ; R301.2 v1(19.3,11.55) ; TP1205.1 v1(82.26,87.22) ; C502.2 C513.2 53.52,27.07 v1(53.43,27.17) ; J801.A1 v1(10.66,96.85) ; v1(72.41,27.11) 72.3,27.22 TP1207.1 ; J802.A1 v1(32.87,96.85) ; J802.B1 v1(32.47,102.75) ; v1(52.16,22.26) C510.2 ; 72.36,3.41 J401.2 73.91,3.41 ; 68.06,18.53 C403.2 ; C403.2 67.51,18.53 ; C403.2 67.51,19.83 ; J801.A18 v1(24.26,96.85) ; R922.2 62.52,93.28 v1(62.36,93.12) ; R921.2 v1(61.25,93.18) ; J802.A4 v1(35.27,96.85) ; J1003.6 83.44,75.44 83.18,75.18 v1(83.18,74.9) ; J801.B7 v1(15.06,102.75) ; v1(19.96,22.56) 19.76,22.35 U904.7 ; J802.A7 v1(37.67,96.85) ; J801.B1 v1(10.26,102.75) ; C336.1 v1(47.23,19.58) ; C511.2 v1(55.85,23.75) ; SW902.6 61.56,106.15 ; SW902.6 64.05,106.15 ; J801.B12 v1(19.06,102.75) ; v1(70.2,79.08) C607.2 ; J802.B4 v1(34.87,102.75) ; v1(23.72,99.97) 23.86,100.11 J801.B18 v1(23.86,102.75) ; J801.B4 v1(12.66,102.75) ; C401.2 v1(79.78,18.78) ; J1003.34 v1(87.93,39.88) ; U304.2 v1(35.42,13.57) ; C207.2 v1(77.57,26.56) ; J202.89 v1(48.54,43.19) ; J802.B15 v1(43.67,102.75)
  TOP w0.381: v1(38.33,22.17) 38.16,22.01 R357.2 ; TVS308.1 39.99,11.57 v1(40.34,11.91) ; D708.C 4.34,20.93 v1(4.34,21.45) ; C509.2 C512.2 52.67,30.27 v1(52.67,29.14) ; U311.2 36.3,20.12 v1(36.04,19.86) ; v1(6.25,17.32) 6.04,17.53 C907.2 ; v1(33.38,16.87) 33.05,16.54 C343.2 ; C909.2 9.92,11.25 v1(9.96,11.25) ; v1(41.25,16.08) 41.77,16.6 C332.1 ; v1(4.52,14.15) 4.69,13.98 C902.2 5.37,14.36 5.64,14.63 C908.2 ; R333.2 28.02,24.38 v1(27.23,23.6) ; R930.1 17.39,24.14 v1(16.92,24.61) ; v1(9.6,8.26) 9.12,8.26 TVS901.1 ; v1(13.18,9.44) 13.11,9.44 12.65,9.91 C920.1 ; v1(47.15,7.95) 47.18,7.98 C339.2 ; C340.2 43.21,14.48 v1(43.22,14.5) ; TP1208.1 v1(70.23,96.69) ; C319.2 v1(24.87,20.6) ; v1(46.58,11.51) 46.41,11.33 U312.2 ; C335.2 41.58,19.86 v1(41.76,19.68) ; C344.2 v1(37.55,16.41) ; v1(78.68,49.11) 79.6,50.04 J1003.25 ; C901.2 5.99,6.3 v1(5.54,5.84) 5.11,6.27 C903.2 ; C341.2 40.08,20.24 v1(40.09,20.23) ; C915.2 v1(18.29,16.76) ; v1(30.3,22.02) 30.7,22.42 R346.2 30.7,24.18 Q301.2 ; C916.2 v1(20.82,16.75) ; R361.1 v1(48.78,8.62) ; v1(33.42,19.04) 33.9,19.52 R359.2
  TOP w0.457: SW902.1 v1(58.95,103.76) ; U701.3 v1(69.41,103.48) ; SW901.1 v1(52,103.76) ; U701.4 v1(72.79,105.87)
  L2_GND1 w0.254: BH1207.1 59.05,79.04 ; BH1207.1 59.05,83.76 ; BH1207.1 54.33,79.04 ; BH1207.1 54.33,83.76 ; 29.87,101.22 J802.T3 ; J802.T3 31.28,99.81 ; J802.T3 29.87,99.81 ; J802.T3 31.28,101.22 ; J301.SH2 29.15,7.79 ; J301.SH2 29.88,6.76 ; J301.SH2 28.41,6.76 ; J301.SH2 29.15,5.73 ; J802.T5 49.08,95.19 ; J802.T5 47.67,93.78 ; J802.T5 47.67,95.19 ; J802.T5 49.08,93.78 ; 25.45,93.78 J801.T5 ; J801.T5 26.86,95.19 ; J801.T5 25.45,95.19 ; J801.T5 26.86,93.78 ; 45.01,1.17 J302.SH4 ; J302.SH4 45.77,2.33 ; J302.SH4 46.54,1.17 ; 29.87,95.19 J802.T1 ; J802.T1 29.87,93.78 ; J802.T1 31.28,95.19 ; J802.T1 31.28,93.78 ; J901.S1 8.46,1.75 ; J901.S1 7.63,2.92 ; J901.S1 6.81,1.75 ; 29.87,97.22 J802.T2 ; J802.T2 31.28,95.81 ; J802.T2 31.28,97.22 ; J802.T2 29.87,95.81 ; 19.38,1.15 J301.SH3 ; J301.SH3 20.15,2.31 ; J301.SH3 20.91,1.15 ; BH1208.1 59.05,38.96 ; BH1208.1 54.33,38.96 ; BH1208.1 54.33,34.24 ; BH1208.1 59.05,34.24 ; 54.6,106.15 SW901.6 ; SW901.6 55.85,105.33 ; SW901.6 55.85,106.96 ; SW901.6 57.09,106.15 ; 9.53,79.04 BH1209.1 ; BH1209.1 14.25,79.04 ; BH1209.1 14.25,83.76 ; BH1209.1 9.53,83.76 ; SW101.3 83.93,101.35 ; SW101.3 83.93,99.92 ; SW101.3 82.5,101.35 ; SW101.3 82.5,99.92 ; 25.45,95.81 J801.T6 ; J801.T6 25.45,97.22 ; J801.T6 26.86,95.81 ; J801.T6 26.86,97.22 ; 85.7,99.92 SW101.6 ; SW101.6 87.13,99.92 ; SW101.6 87.13,101.35 ; SW101.6 85.7,101.35 ; 38.69,6.44 J302.B12 37.75,6.44 ; J801.T7 26.86,99.81 ; J801.T7 25.45,101.22 ; J801.T7 26.86,101.22 ; J801.T7 25.45,99.81 ; 47.67,99.81 J802.T7 ; J802.T7 49.08,99.81 ; J802.T7 49.08,101.22 ; J802.T7 47.67,101.22 ; J801.T2 9.06,97.22 ; J801.T2 9.06,95.81 ; J801.T2 7.65,97.22 ; J801.T2 7.65,95.81 ; J802.T8 49.08,104.05 ; J802.T8 47.67,104.05 ; J802.T8 47.67,105.46 ; J802.T8 49.08,105.46 ; 83.41,93.01 BH1202.1 ; BH1202.1 87.84,93.01 ; BH1202.1 87.84,97.44 ; BH1202.1 83.41,97.44 ; 51.22,3 J501.12 ; J501.12 51.22,4.55 ; J501.12 52.77,3 ; J501.12 52.77,4.55 ; 83.41,1.01 BH1204.1 ; BH1204.1 83.41,5.44 ; BH1204.1 87.84,5.44 ; 44.79,6.44 J302.B1 43.85,6.44 ; 52.27,17.97 J501.1 ; J501.1 53.73,16.51 ; J501.1 52.27,16.51 ; J501.1 53.73,17.97 ; 0.96,5.39 BH1203.1 ; BH1203.1 5.39,0.96 ; BH1203.1 5.39,5.39 ; 11.08,26.94 J101.2 ; J101.2 12.63,26.94 ; J101.2 11.08,28.49 ; J101.2 12.63,28.49 ; 73.91,3.41 J401.2 72.36,3.41 ; J801.T4 9.06,104.46 ; J801.T4 9.06,103.05 ; J801.T4 7.65,103.05 ; J801.T4 7.65,104.46 ; J802.T6 49.08,95.81 ; J802.T6 47.67,97.22 ; J802.T6 47.67,95.81 ; J802.T6 49.08,97.22 ; J302.SH3 36.77,2.33 ; J302.SH3 36.01,1.17 ; J302.SH3 37.54,1.17 ; J801.T1 9.06,95.19 ; J801.T1 7.65,93.78 ; J801.T1 7.65,95.19 ; J801.T1 9.06,93.78 ; 36.77,5.75 J302.SH1 ; J302.SH1 36.77,7.81 ; J302.SH1 37.51,6.78 ; 19.41,6.76 J301.SH1 ; J301.SH1 20.15,5.73 ; J301.SH1 20.15,7.79 ; J301.SH1 20.88,6.76 ; 45.77,5.75 J302.SH2 ; J302.SH2 45.77,7.81 ; J302.SH2 46.51,6.78 ; J302.SH2 45.04,6.78 ; 50.3,106.15 SW901.7 ; SW901.7 51.55,106.96 ; SW901.7 51.55,105.33 ; SW901.7 52.79,106.15 ; SW902.7 58.5,106.96 ; SW902.7 58.5,105.33 ; SW902.7 57.26,106.15 ; SW902.7 59.75,106.15 ; BH1201.1 5.5,93.01 ; BH1201.1 5.5,97.44 ; BH1201.1 1.07,93.01 ; BH1201.1 1.07,97.44 ; 28.38,1.15 J301.SH4 ; J301.SH4 29.91,1.15 ; J301.SH4 29.15,2.31 ; 25.45,105.46 J801.T8 ; J801.T8 26.86,104.05 ; J801.T8 26.86,105.46 ; J801.T8 25.45,104.05 ; 60.74,95.2 J902.5 59.22,95.2 ; 62.8,105.33 SW902.6 ; SW902.6 64.05,106.15 ; SW902.6 61.56,106.15 ; SW902.6 62.8,106.96 ; 27.22,6.42 J301.B1 28.17,6.42 ; J802.T4 31.28,103.05 ; J802.T4 29.87,104.46 ; J802.T4 31.28,104.46 ; J802.T4 29.87,103.05 ; BH1206.1 66.89,38.29 ; BH1206.1 62.04,38.29 ; BH1206.1 66.89,33.43 ; BH1206.1 62.04,33.43 ; 57.95,95.2 J902.3 59.47,95.2 ; J801.T3 9.06,101.22 ; J801.T3 7.65,101.22 ; J801.T3 7.65,99.81 ; J801.T3 9.06,99.81 ; 77.51,3.41 J401.1 79.06,3.41 ; 21.12,6.42 J301.B12 22.07,6.42 ; J901.S2 14.03,2.92 ; J901.S2 14.86,1.75 ; J901.S2 13.21,1.75
  L3_IN1 w0.254: 9.53,83.76 BH1209.1 ; BH1209.1 9.53,79.04 ; BH1209.1 14.25,79.04 ; BH1209.1 14.25,83.76 ; 7.65,95.19 J801.T1 ; J801.T1 9.06,93.78 ; J801.T1 9.06,95.19 ; J801.T1 7.65,93.78 ; 83.41,1.01 BH1204.1 ; BH1204.1 83.41,5.44 ; BH1204.1 87.84,5.44 ; J801.T8 26.86,105.46 ; J801.T8 26.86,104.05 ; J801.T8 25.45,105.46 ; J801.T8 25.45,104.05 ; 0.96,5.39 BH1203.1 ; BH1203.1 5.39,0.96 ; BH1203.1 5.39,5.39 ; 72.36,3.41 J401.2 73.91,3.41 ; 45.01,1.17 J302.SH4 ; J302.SH4 46.54,1.17 ; J302.SH4 45.77,2.33 ; 82.5,99.92 SW101.3 ; SW101.3 83.93,99.92 ; SW101.3 82.5,101.35 ; SW101.3 83.93,101.35 ; BH1202.1 87.84,93.01 ; BH1202.1 87.84,97.44 ; BH1202.1 83.41,93.01 ; BH1202.1 83.41,97.44 ; 61.56,106.15 SW902.6 ; SW902.6 62.8,106.96 ; SW902.6 62.8,105.33 ; SW902.6 64.05,106.15 ; SW902.7 58.5,106.96 ; SW902.7 59.75,106.15 ; SW902.7 57.26,106.15 ; SW902.7 58.5,105.33 ; J801.T3 9.06,101.22 ; J801.T3 7.65,101.22 ; J801.T3 9.06,99.81 ; J801.T3 7.65,99.81 ; J801.T2 9.06,95.81 ; J801.T2 7.65,95.81 ; J801.T2 9.06,97.22 ; J801.T2 7.65,97.22 ; J901.S2 14.86,1.75 ; J901.S2 13.21,1.75 ; J901.S2 14.03,2.92 ; 7.65,104.46 J801.T4 ; J801.T4 9.06,104.46 ; J801.T4 9.06,103.05 ; J801.T4 7.65,103.05 ; 47.67,105.46 J802.T8 49.08,105.46 ; J501.12 52.77,3 ; J501.12 51.22,4.55 ; J501.12 52.77,4.55 ; J501.12 51.22,3 ; SW901.6 57.09,106.15 ; SW901.6 55.85,105.33 ; SW901.6 55.85,106.96 ; SW901.6 54.6,106.15 ; J302.SH3 36.77,2.33 ; J302.SH3 37.54,1.17 ; J302.SH3 36.01,1.17 ; J802.T4 31.28,104.46 ; J802.T4 29.87,103.05 ; J802.T4 29.87,104.46 ; J802.T4 31.28,103.05 ; 85.7,101.35 SW101.6 ; SW101.6 87.13,99.92 ; SW101.6 87.13,101.35 ; SW101.6 85.7,99.92 ; J301.SH3 20.91,1.15 ; J301.SH3 19.38,1.15 ; J301.SH3 20.15,2.31 ; 1.07,93.01 BH1201.1 ; BH1201.1 1.07,97.44 ; BH1201.1 5.5,93.01 ; BH1201.1 5.5,97.44 ; J301.SH4 29.91,1.15 ; J301.SH4 29.15,2.31 ; J301.SH4 28.38,1.15 ; 50.3,106.15 SW901.7 ; SW901.7 51.55,105.33 ; SW901.7 52.79,106.15 ; SW901.7 51.55,106.96 ; 6.81,1.75 J901.S1 ; J901.S1 7.63,2.92 ; J901.S1 8.46,1.75 ; 79.06,3.41 J401.1 77.51,3.41